# Altium PCB Analog_Daughter_6U_MAX11331.PcbDoc (part 6 of 6)
Units mil, origin at the board's own origin, x right, y up, seen from the top; angles counter-clockwise.
Board outline 6811.02 x 3937.01 mil, 6 copper layers (Top Layer, GND, Signal 1, Signal 2, VCC, Bottom Layer), stack 32.112 mil thick; 520 components, 330 nets, 1678 pads, 526 vias.
Unrouted connection lines stored in the file: 277.
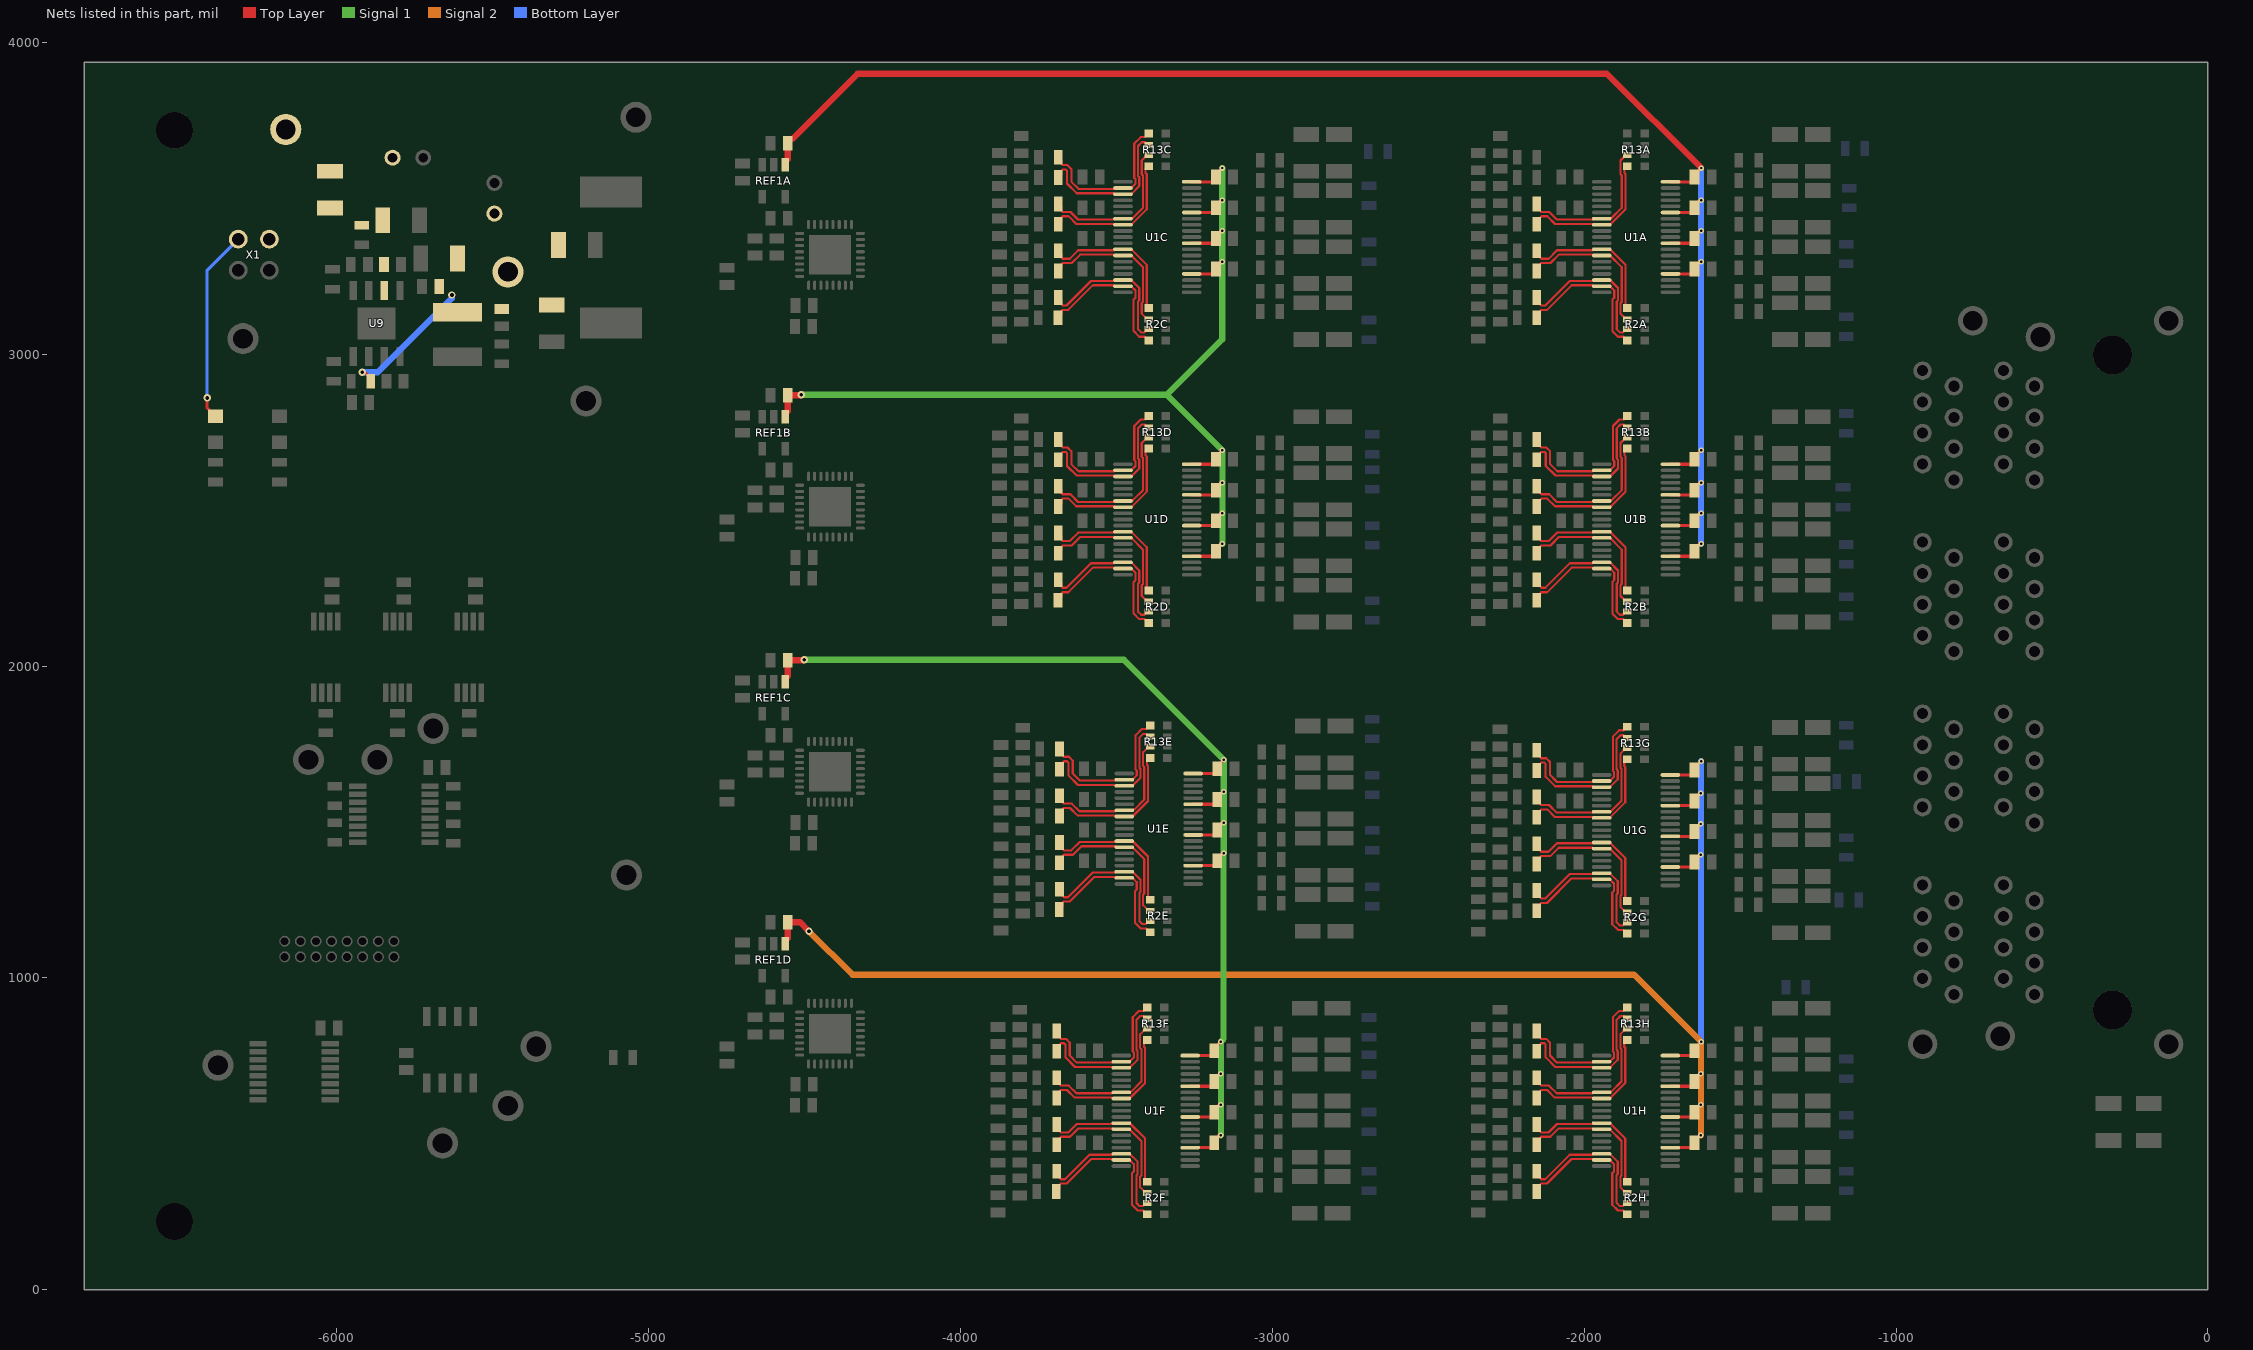
[diagram p10: the nets of this part, all layers, seen from the top]

## Via types
v1: diameter 17.72, hole 7.87, Top Layer to Bottom Layer, tented both sides, 279 vias
v2: diameter 23.62, hole 11.81, Top Layer to Bottom Layer, tented both sides, 205 vias
v3: diameter 27.56, hole 11.81, Top Layer to Bottom Layer, tented bottom, 32 vias
v4: diameter 19.68, hole 7.87, Top Layer to Bottom Layer, tented both sides, 6 vias
v5: diameter 51.18, hole 27.56, Top Layer to Bottom Layer, tented both sides, 4 vias

## Nets (pads, with @x,y where several pads share a name; then routed paths per layer and width w, separated by ;. In a path a pad name is that pad's centre, name@x,y a point inside that pad or via, vN(x,y) a via of type N, cw(c..) or ccw(c..) an arc to the next point about the centre after c; other vN are vias at no path point) (continued)
TD1B_N: R13B.6 R19B.2 U1B.22 | length 518.1
  Top Layer w7: R19B.2@-2151.82,2661.54 -2141.54,2671.82 -2141.54,2682.93 -2137.44,2687.04 -2127.54,2687.04 -2123.44,2682.93 -2123.44,2641.86 -2092.53,2610.95 -1973.68,2610.95 -1970.84,2608.11 U1B.22@-1943.94,2608.11 -1917.67,2608.11 -1891.95,2633.83 -1891.95,2661.98 -1895.44,2665.47 -1895.44,2666.09 -1895.79,2666.44 -1895.79,2762.43 -1883.61,2774.62 -1873.71,2774.62 -1871.79,2772.7 -1871.79,2771.93 -1865.45,2765.59 R13B.6@-1861.51,2765.59
TD1B_P: R13B.5 R22B.2 U1B.21 | length 517.1
  Top Layer w7: R22B.2@-2151.82,2726.54 -2141.54,2716.26 -2141.54,2705.14 -2137.44,2701.04 -2121.74,2701.04 -2109.44,2688.73 -2109.44,2647.66 -2086.73,2624.95 -1973.68,2624.95 -1970.84,2627.8 U1B.21@-1943.94,2627.8 -1917.66,2627.8 -1903.95,2641.51 -1903.95,2657.01 -1907.79,2660.85 -1907.79,2770.23 -1887.22,2790.8 -1873.9,2790.8 -1862.69,2802.01 R13B.5@-1861.51,2802.01
TD1C_N: R13C.6 R19C.2 U1C.22 | length 518.1
  Top Layer w7: R19C.2@-3687.25,3567.05 -3676.97,3577.33 -3676.97,3588.45 -3672.87,3592.55 -3662.97,3592.55 -3658.87,3588.45 -3658.87,3547.37 -3627.96,3516.46 -3509.11,3516.46 -3506.27,3513.62 U1C.22@-3479.38,3513.62 -3453.1,3513.62 -3427.38,3539.34 -3427.38,3567.49 -3430.87,3570.99 -3430.87,3571.6 -3431.22,3571.95 -3431.22,3667.94 -3419.04,3680.13 -3409.14,3680.13 -3407.22,3678.21 -3407.22,3677.44 -3400.88,3671.1 R13C.6@-3396.94,3671.1
TD1C_P: R13C.5 R22C.2 U1C.21 | length 517.1
  Top Layer w7: R22C.2@-3687.25,3632.05 -3676.97,3621.77 -3676.97,3610.65 -3672.87,3606.55 -3657.17,3606.55 -3644.87,3594.25 -3644.87,3553.17 -3622.16,3530.46 -3509.11,3530.46 -3506.27,3533.31 U1C.21@-3479.38,3533.31 -3453.1,3533.31 -3439.38,3547.03 -3439.38,3562.52 -3443.22,3566.37 -3443.22,3675.74 -3422.66,3696.31 -3409.33,3696.31 -3398.12,3707.52 R13C.5@-3396.94,3707.52
TD1D_N: R13D.6 R19D.2 U1D.22 | length 518.1
  Top Layer w7: R19D.2@-3687.25,2661.54 -3676.97,2671.82 -3676.97,2682.93 -3672.87,2687.04 -3662.97,2687.04 -3658.87,2682.93 -3658.87,2641.86 -3627.96,2610.95 -3509.11,2610.95 -3506.27,2608.11 U1D.22@-3479.38,2608.11 -3453.1,2608.11 -3427.38,2633.83 -3427.38,2661.98 -3430.87,2665.47 -3430.87,2666.09 -3431.22,2666.44 -3431.22,2762.43 -3419.04,2774.62 -3409.14,2774.62 -3407.22,2772.7 -3407.22,2771.93 -3400.88,2765.59 R13D.6@-3396.94,2765.59
TD1D_P: R13D.5 R22D.2 U1D.21 | length 517.1
  Top Layer w7: R22D.2@-3687.25,2726.54 -3676.97,2716.26 -3676.97,2705.14 -3672.87,2701.04 -3657.17,2701.04 -3644.87,2688.73 -3644.87,2647.66 -3622.16,2624.95 -3509.11,2624.95 -3506.27,2627.8 U1D.21@-3479.38,2627.8 -3453.1,2627.8 -3439.38,2641.51 -3439.38,2657.01 -3443.22,2660.85 -3443.22,2770.23 -3422.66,2790.8 -3409.33,2790.8 -3398.12,2802.01 R13D.5@-3396.94,2802.01
TD1E_N: R13E.6 R19E.2 U1E.22 | length 518.1
  Top Layer w7: R19E.2@-3682.82,1669.47 -3672.54,1679.75 -3672.54,1690.87 -3668.44,1694.97 -3658.54,1694.97 -3654.44,1690.87 -3654.44,1649.8 -3623.53,1618.89 -3504.68,1618.89 -3501.84,1616.04 U1E.22@-3474.95,1616.04 -3448.67,1616.04 -3422.95,1641.76 -3422.95,1669.92 -3426.44,1673.41 -3426.44,1674.02 -3426.79,1674.37 -3426.79,1770.37 -3414.61,1782.55 -3404.71,1782.55 -3402.79,1780.63 -3402.79,1779.87 -3396.45,1773.52 R13E.6@-3392.51,1773.52
TD1E_P: R13E.5 R22E.2 U1E.21 | length 517.1
  Top Layer w7: R22E.2@-3682.82,1734.47 -3672.54,1724.19 -3672.54,1713.07 -3668.44,1708.97 -3652.74,1708.97 -3640.44,1696.67 -3640.44,1655.59 -3617.73,1632.89 -3504.68,1632.89 -3501.84,1635.73 U1E.21@-3474.95,1635.73 -3448.67,1635.73 -3434.95,1649.45 -3434.95,1664.94 -3438.79,1668.79 -3438.79,1778.16 -3418.23,1798.73 -3404.9,1798.73 -3393.69,1809.94 R13E.5@-3392.51,1809.94
TD1F_N: R13F.6 R19F.2 U1F.22 | length 518.1
  Top Layer w7: R19F.2@-3692.29,765 -3682.01,775.28 -3682.01,786.4 -3677.91,790.5 -3668.01,790.5 -3663.91,786.4 -3663.91,745.33 -3633,714.42 -3514.15,714.42 -3511.31,711.57 U1F.22@-3484.42,711.57 -3458.14,711.57 -3432.42,737.29 -3432.42,765.45 -3435.91,768.94 -3435.91,769.55 -3436.26,769.9 -3436.26,865.9 -3424.08,878.08 -3414.18,878.08 -3412.26,876.16 -3412.26,875.4 -3405.92,869.06 R13F.6@-3401.98,869.06
TD1F_P: R13F.5 R22F.2 U1F.21 | length 517.1
  Top Layer w7: R22F.2@-3692.29,830 -3682.01,819.72 -3682.01,808.6 -3677.91,804.5 -3662.21,804.5 -3649.91,792.2 -3649.91,751.13 -3627.2,728.42 -3514.15,728.42 -3511.31,731.26 U1F.21@-3484.42,731.26 -3458.14,731.26 -3444.42,744.98 -3444.42,760.48 -3448.26,764.32 -3448.26,873.7 -3427.69,894.26 -3414.37,894.26 -3403.16,905.47 R13F.5@-3401.98,905.47
TD1G_N: R13G.6 R19G.2 U1G.22 | length 518.1
  Top Layer w7: R19G.2@-2152.29,1665 -2142.01,1675.28 -2142.01,1686.4 -2137.91,1690.5 -2128.01,1690.5 -2123.91,1686.4 -2123.91,1645.33 -2093,1614.42 -1974.15,1614.42 -1971.31,1611.57 U1G.22@-1944.42,1611.57 -1918.14,1611.57 -1892.42,1637.29 -1892.42,1665.45 -1895.91,1668.94 -1895.91,1669.55 -1896.26,1669.9 -1896.26,1765.9 -1884.08,1778.08 -1874.18,1778.08 -1872.26,1776.16 -1872.26,1775.4 -1865.92,1769.06 R13G.6@-1861.98,1769.06
TD1G_P: R13G.5 R22G.2 U1G.21 | length 517.1
  Top Layer w7: R22G.2@-2152.29,1730 -2142.01,1719.72 -2142.01,1708.6 -2137.91,1704.5 -2122.21,1704.5 -2109.91,1692.2 -2109.91,1651.13 -2087.2,1628.42 -1974.15,1628.42 -1971.31,1631.26 U1G.21@-1944.42,1631.26 -1918.14,1631.26 -1904.42,1644.98 -1904.42,1660.48 -1908.26,1664.32 -1908.26,1773.7 -1887.69,1794.26 -1874.37,1794.26 -1863.16,1805.47 R13G.5@-1861.98,1805.47
TD1H_N: R13H.6 R19H.2 U1H.22 | length 518.1
  Top Layer w7: R19H.2@-2152.29,765 -2142.01,775.28 -2142.01,786.4 -2137.91,790.5 -2128.01,790.5 -2123.91,786.4 -2123.91,745.33 -2093,714.42 -1974.15,714.42 -1971.31,711.57 U1H.22@-1944.42,711.57 -1918.14,711.57 -1892.42,737.29 -1892.42,765.45 -1895.91,768.94 -1895.91,769.55 -1896.26,769.9 -1896.26,865.9 -1884.08,878.08 -1874.18,878.08 -1872.26,876.16 -1872.26,875.4 -1865.92,869.06 R13H.6@-1861.98,869.06
TD1H_P: R13H.5 R22H.2 U1H.21 | length 517.1
  Top Layer w7: R22H.2@-2152.29,830 -2142.01,819.72 -2142.01,808.6 -2137.91,804.5 -2122.21,804.5 -2109.91,792.2 -2109.91,751.13 -2087.2,728.42 -1974.15,728.42 -1971.31,731.26 U1H.21@-1944.42,731.26 -1918.14,731.26 -1904.42,744.98 -1904.42,760.48 -1908.26,764.32 -1908.26,873.7 -1887.69,894.26 -1874.37,894.26 -1863.16,905.47 R13H.5@-1861.98,905.47
TD2A_N: R13A.8 R14A.2 U1A.27 | length 477.2
  Top Layer w7: R14A.2@-2151.82,3417.05 -2141.54,3427.33 -2141.54,3438.45 -2137.44,3442.55 -2118.23,3442.55 -2093.73,3418.04 -1973.68,3418.04 -1970.84,3415.2 U1A.27@-1943.94,3415.2 -1917.67,3415.2 -1867.95,3464.91 -1867.95,3578.05 -1871.42,3581.53 -1871.42,3594.09 -1862.32,3603.19 R13A.8@-1861.51,3603.19
TD2A_P: R13A.7 R17A.2 U1A.26 | length 497.6
  Top Layer w7: R17A.2@-2151.82,3482.05 -2141.54,3471.77 -2141.54,3460.65 -2137.44,3456.55 -2112.44,3456.55 -2087.93,3432.04 -1973.68,3432.04 -1970.84,3434.88 U1A.26@-1943.94,3434.88 -1917.05,3434.88 -1914.65,3437.29 -1912.55,3437.29 -1879.95,3469.89 -1879.95,3573.08 -1883.79,3576.92 -1883.79,3621.26 -1865.45,3639.61 R13A.7@-1861.51,3639.61
TD2B_N: R13B.8 R14B.2 U1B.27 | length 477.2
  Top Layer w7: R14B.2@-2151.82,2511.54 -2141.54,2521.82 -2141.54,2532.93 -2137.44,2537.04 -2118.23,2537.04 -2093.73,2512.53 -1973.68,2512.53 -1970.84,2509.68 U1B.27@-1943.94,2509.68 -1917.67,2509.68 -1867.95,2559.4 -1867.95,2672.54 -1871.42,2676.01 -1871.42,2688.58 -1862.32,2697.68 R13B.8@-1861.51,2697.68
TD2B_P: R13B.7 R17B.2 U1B.26 | length 497.6
  Top Layer w7: R17B.2@-2151.82,2576.54 -2141.54,2566.26 -2141.54,2555.14 -2137.44,2551.04 -2112.44,2551.04 -2087.93,2526.53 -1973.68,2526.53 -1970.84,2529.37 U1B.26@-1943.94,2529.37 -1917.05,2529.37 -1914.65,2531.78 -1912.55,2531.78 -1879.95,2564.37 -1879.95,2667.57 -1883.79,2671.41 -1883.79,2715.75 -1865.45,2734.09 R13B.7@-1861.51,2734.09
TD2C_N: R13C.8 R14C.2 U1C.27 | length 477.2
  Top Layer w7: R14C.2@-3687.25,3417.05 -3676.97,3427.33 -3676.97,3438.45 -3672.87,3442.55 -3653.67,3442.55 -3629.16,3418.04 -3509.11,3418.04 -3506.27,3415.2 U1C.27@-3479.38,3415.2 -3453.1,3415.2 -3403.38,3464.91 -3403.38,3578.05 -3406.86,3581.53 -3406.86,3594.09 -3397.76,3603.19 R13C.8@-3396.94,3603.19
TD2C_P: R13C.7 R17C.2 U1C.26 | length 497.6
  Top Layer w7: R17C.2@-3687.25,3482.05 -3676.97,3471.77 -3676.97,3460.65 -3672.87,3456.55 -3647.87,3456.55 -3623.36,3432.04 -3509.11,3432.04 -3506.27,3434.88 U1C.26@-3479.38,3434.88 -3452.48,3434.88 -3450.08,3437.29 -3447.98,3437.29 -3415.38,3469.89 -3415.38,3573.08 -3419.22,3576.92 -3419.22,3621.26 -3400.88,3639.61 R13C.7@-3396.94,3639.61
TD2D_N: R13D.8 R14D.2 U1D.27 | length 477.2
  Top Layer w7: R14D.2@-3687.25,2511.54 -3676.97,2521.82 -3676.97,2532.93 -3672.87,2537.04 -3653.67,2537.04 -3629.16,2512.53 -3509.11,2512.53 -3506.27,2509.68 U1D.27@-3479.38,2509.68 -3453.1,2509.68 -3403.38,2559.4 -3403.38,2672.54 -3406.86,2676.01 -3406.86,2688.58 -3397.76,2697.68 R13D.8@-3396.94,2697.68
TD2D_P: R13D.7 R17D.2 U1D.26 | length 497.6
  Top Layer w7: R17D.2@-3687.25,2576.54 -3676.97,2566.26 -3676.97,2555.14 -3672.87,2551.04 -3647.87,2551.04 -3623.36,2526.53 -3509.11,2526.53 -3506.27,2529.37 U1D.26@-3479.38,2529.37 -3452.48,2529.37 -3450.08,2531.78 -3447.98,2531.78 -3415.38,2564.37 -3415.38,2667.57 -3419.22,2671.41 -3419.22,2715.75 -3400.88,2734.09 R13D.7@-3396.94,2734.09
TD2E_N: R13E.8 R14E.2 U1E.27 | length 477.2
  Top Layer w7: R14E.2@-3682.82,1519.47 -3672.54,1529.75 -3672.54,1540.87 -3668.44,1544.97 -3649.24,1544.97 -3624.73,1520.46 -3504.68,1520.46 -3501.84,1517.62 U1E.27@-3474.95,1517.62 -3448.67,1517.62 -3398.95,1567.34 -3398.95,1680.47 -3402.43,1683.95 -3402.43,1696.51 -3393.33,1705.61 R13E.8@-3392.51,1705.61
TD2E_P: R13E.7 R17E.2 U1E.26 | length 497.6
  Top Layer w7: R17E.2@-3682.82,1584.47 -3672.54,1574.19 -3672.54,1563.07 -3668.44,1558.97 -3643.44,1558.97 -3618.93,1534.46 -3504.68,1534.46 -3501.84,1537.3 U1E.26@-3474.95,1537.3 -3448.05,1537.3 -3445.65,1539.71 -3443.55,1539.71 -3410.95,1572.31 -3410.95,1675.5 -3414.79,1679.34 -3414.79,1723.69 -3396.45,1742.03 R13E.7@-3392.51,1742.03
TD2F_N: R13F.8 R14F.2 U1F.27 | length 477.2
  Top Layer w7: R14F.2@-3692.29,615 -3682.01,625.28 -3682.01,636.4 -3677.91,640.5 -3658.71,640.5 -3634.2,615.99 -3514.15,615.99 -3511.31,613.15 U1F.27@-3484.42,613.15 -3458.14,613.15 -3408.42,662.87 -3408.42,776 -3411.9,779.48 -3411.9,792.04 -3402.8,801.14 R13F.8@-3401.98,801.14
TD2F_P: R13F.7 R17F.2 U1F.26 | length 497.6
  Top Layer w7: R17F.2@-3692.29,680 -3682.01,669.72 -3682.01,658.6 -3677.91,654.5 -3652.91,654.5 -3628.4,629.99 -3514.15,629.99 -3511.31,632.83 U1F.26@-3484.42,632.83 -3457.52,632.83 -3455.12,635.24 -3453.02,635.24 -3420.42,667.84 -3420.42,771.03 -3424.26,774.87 -3424.26,819.22 -3405.92,837.56 R13F.7@-3401.98,837.56
TD2G_N: R13G.8 R14G.2 U1G.27 | length 477.2
  Top Layer w7: R14G.2@-2152.29,1515 -2142.01,1525.28 -2142.01,1536.4 -2137.91,1540.5 -2118.71,1540.5 -2094.2,1515.99 -1974.15,1515.99 -1971.31,1513.15 U1G.27@-1944.42,1513.15 -1918.14,1513.15 -1868.42,1562.87 -1868.42,1676 -1871.9,1679.48 -1871.9,1692.04 -1862.8,1701.14 R13G.8@-1861.98,1701.14
TD2G_P: R13G.7 R17G.2 U1G.26 | length 497.6
  Top Layer w7: R17G.2@-2152.29,1580 -2142.01,1569.72 -2142.01,1558.6 -2137.91,1554.5 -2112.91,1554.5 -2088.4,1529.99 -1974.15,1529.99 -1971.31,1532.83 U1G.26@-1944.42,1532.83 -1917.52,1532.83 -1915.12,1535.24 -1913.02,1535.24 -1880.42,1567.84 -1880.42,1671.03 -1884.26,1674.87 -1884.26,1719.22 -1865.92,1737.56 R13G.7@-1861.98,1737.56
TD2H_N: R13H.8 R14H.2 U1H.27 | length 477.2
  Top Layer w7: R14H.2@-2152.29,615 -2142.01,625.28 -2142.01,636.4 -2137.91,640.5 -2118.71,640.5 -2094.2,615.99 -1974.15,615.99 -1971.31,613.15 U1H.27@-1944.42,613.15 -1918.14,613.15 -1868.42,662.87 -1868.42,776 -1871.9,779.48 -1871.9,792.04 -1862.8,801.14 R13H.8@-1861.98,801.14
TD2H_P: R13H.7 R17H.2 U1H.26 | length 497.6
  Top Layer w7: R17H.2@-2152.29,680 -2142.01,669.72 -2142.01,658.6 -2137.91,654.5 -2112.91,654.5 -2088.4,629.99 -1974.15,629.99 -1971.31,632.83 U1H.26@-1944.42,632.83 -1917.52,632.83 -1915.12,635.24 -1913.02,635.24 -1880.42,667.84 -1880.42,771.03 -1884.26,774.87 -1884.26,819.22 -1865.92,837.56 R13H.7@-1861.98,837.56
TD3A_N: R2A.6 R8A.2 U1A.32 | length 497.1
  Top Layer w7: R8A.2@-2151.82,3267.05 -2141.54,3277.33 -2141.54,3288.45 -2137.44,3292.55 -2108.49,3292.55 -2081.42,3319.61 -1973.68,3319.61 -1970.84,3316.77 U1A.32@-1943.94,3316.77 -1917.66,3316.77 -1879.95,3279.05 -1879.95,3168.43 -1883.79,3164.58 -1883.79,3130.39 -1865.45,3112.05 R2A.6@-1861.51,3112.05
TD3A_P: R2A.5 R11A.2 U1A.31 | length 474.9
  Top Layer w7: R11A.2@-2151.82,3332.05 -2141.54,3321.77 -2141.54,3310.65 -2137.44,3306.55 -2114.29,3306.55 -2087.22,3333.61 -1973.68,3333.61 -1970.84,3336.46 U1A.31@-1943.94,3336.46 -1917.67,3336.46 -1867.95,3286.74 -1867.95,3154.9 R2A.5@-1861.51,3148.46
TD3B_N: R2B.6 R8B.2 U1B.32 | length 497.1
  Top Layer w7: R8B.2@-2151.82,2361.54 -2141.54,2371.82 -2141.54,2382.93 -2137.44,2387.04 -2108.49,2387.04 -2081.42,2414.1 -1973.68,2414.1 -1970.84,2411.26 U1B.32@-1943.94,2411.26 -1917.66,2411.26 -1879.95,2373.54 -1879.95,2262.91 -1883.79,2259.07 -1883.79,2224.88 -1865.45,2206.54 R2B.6@-1861.51,2206.54
TD3B_P: R2B.5 R11B.2 U1B.31 | length 474.9
  Top Layer w7: R11B.2@-2151.82,2426.54 -2141.54,2416.26 -2141.54,2405.14 -2137.44,2401.04 -2114.29,2401.04 -2087.22,2428.1 -1973.68,2428.1 -1970.84,2430.94 U1B.31@-1943.94,2430.94 -1917.67,2430.94 -1867.95,2381.23 -1867.95,2249.39 R2B.5@-1861.51,2242.95
TD3C_N: R2C.6 R8C.2 U1C.32 | length 497.1
  Top Layer w7: R8C.2@-3687.25,3267.05 -3676.97,3277.33 -3676.97,3288.45 -3672.87,3292.55 -3643.92,3292.55 -3616.86,3319.61 -3509.11,3319.61 -3506.27,3316.77 U1C.32@-3479.38,3316.77 -3453.1,3316.77 -3415.38,3279.05 -3415.38,3168.43 -3419.22,3164.58 -3419.22,3130.39 -3400.88,3112.05 R2C.6@-3396.94,3112.05
TD3C_P: R2C.5 R11C.2 U1C.31 | length 474.9
  Top Layer w7: R11C.2@-3687.25,3332.05 -3676.97,3321.77 -3676.97,3310.65 -3672.87,3306.55 -3649.72,3306.55 -3622.66,3333.61 -3509.11,3333.61 -3506.27,3336.46 U1C.31@-3479.38,3336.46 -3453.1,3336.46 -3403.38,3286.74 -3403.38,3154.9 R2C.5@-3396.94,3148.46
TD3D_N: R2D.6 R8D.2 U1D.32 | length 497.1
  Top Layer w7: R8D.2@-3687.25,2361.54 -3676.97,2371.82 -3676.97,2382.93 -3672.87,2387.04 -3643.92,2387.04 -3616.86,2414.1 -3509.11,2414.1 -3506.27,2411.26 U1D.32@-3479.38,2411.26 -3453.1,2411.26 -3415.38,2373.54 -3415.38,2262.91 -3419.22,2259.07 -3419.22,2224.88 -3400.88,2206.54 R2D.6@-3396.94,2206.54
TD3D_P: R2D.5 R11D.2 U1D.31 | length 474.9
  Top Layer w7: R11D.2@-3687.25,2426.54 -3676.97,2416.26 -3676.97,2405.14 -3672.87,2401.04 -3649.72,2401.04 -3622.66,2428.1 -3509.11,2428.1 -3506.27,2430.94 U1D.31@-3479.38,2430.94 -3453.1,2430.94 -3403.38,2381.23 -3403.38,2249.39 R2D.5@-3396.94,2242.95
TD3E_N: R2E.6 R8E.2 U1E.32 | length 497.1
  Top Layer w7: R8E.2@-3682.82,1369.47 -3672.54,1379.75 -3672.54,1390.87 -3668.44,1394.97 -3639.49,1394.97 -3612.43,1422.04 -3504.68,1422.04 -3501.84,1419.19 U1E.32@-3474.95,1419.19 -3448.67,1419.19 -3410.95,1381.47 -3410.95,1270.85 -3414.79,1267.01 -3414.79,1232.81 -3396.45,1214.47 R2E.6@-3392.51,1214.47
TD3E_P: R2E.5 R11E.2 U1E.31 | length 474.9
  Top Layer w7: R11E.2@-3682.82,1434.47 -3672.54,1424.19 -3672.54,1413.07 -3668.44,1408.97 -3645.29,1408.97 -3618.23,1436.04 -3504.68,1436.04 -3501.84,1438.88 U1E.31@-3474.95,1438.88 -3448.67,1438.88 -3398.95,1389.16 -3398.95,1257.32 R2E.5@-3392.51,1250.89
TD3F_N: R2F.6 R8F.2 U1F.32 | length 497.1
  Top Layer w7: R8F.2@-3692.29,465 -3682.01,475.28 -3682.01,486.4 -3677.91,490.5 -3648.96,490.5 -3621.9,517.57 -3514.15,517.57 -3511.31,514.72 U1F.32@-3484.42,514.72 -3458.14,514.72 -3420.42,477.01 -3420.42,366.38 -3424.26,362.54 -3424.26,328.34 -3405.92,310 R2F.6@-3401.98,310
TD3F_P: R2F.5 R11F.2 U1F.31 | length 474.9
  Top Layer w7: R11F.2@-3692.29,530 -3682.01,519.72 -3682.01,508.6 -3677.91,504.5 -3654.76,504.5 -3627.69,531.57 -3514.15,531.57 -3511.31,534.41 U1F.31@-3484.42,534.41 -3458.14,534.41 -3408.42,484.69 -3408.42,352.85 R2F.5@-3401.98,346.42
TD3G_N: R2G.6 R8G.2 U1G.32 | length 497.1
  Top Layer w7: R8G.2@-2152.29,1365 -2142.01,1375.28 -2142.01,1386.4 -2137.91,1390.5 -2108.96,1390.5 -2081.9,1417.57 -1974.15,1417.57 -1971.31,1414.72 U1G.32@-1944.42,1414.72 -1918.14,1414.72 -1880.42,1377.01 -1880.42,1266.38 -1884.26,1262.54 -1884.26,1228.34 -1865.92,1210 R2G.6@-1861.98,1210
TD3G_P: R2G.5 R11G.2 U1G.31 | length 474.9
  Top Layer w7: R11G.2@-2152.29,1430 -2142.01,1419.72 -2142.01,1408.6 -2137.91,1404.5 -2114.76,1404.5 -2087.69,1431.57 -1974.15,1431.57 -1971.31,1434.41 U1G.31@-1944.42,1434.41 -1918.14,1434.41 -1868.42,1384.69 -1868.42,1252.85 R2G.5@-1861.98,1246.42
TD3H_N: R2H.6 R8H.2 U1H.32 | length 497.1
  Top Layer w7: R8H.2@-2152.29,465 -2142.01,475.28 -2142.01,486.4 -2137.91,490.5 -2108.96,490.5 -2081.9,517.57 -1974.15,517.57 -1971.31,514.72 U1H.32@-1944.42,514.72 -1918.14,514.72 -1880.42,477.01 -1880.42,366.38 -1884.26,362.54 -1884.26,328.34 -1865.92,310 R2H.6@-1861.98,310
TD3H_P: R2H.5 R11H.2 U1H.31 | length 474.9
  Top Layer w7: R11H.2@-2152.29,530 -2142.01,519.72 -2142.01,508.6 -2137.91,504.5 -2114.76,504.5 -2087.69,531.57 -1974.15,531.57 -1971.31,534.41 U1H.31@-1944.42,534.41 -1918.14,534.41 -1868.42,484.69 -1868.42,352.85 R2H.5@-1861.98,346.42
TD4A_N: R2A.8 R3A.2 U1A.37 | length 498.2
  Top Layer w7: R3A.2@-2152.24,3117.05 -2141.96,3127.33 -2141.96,3138.36 -2137.86,3142.46 -2119.16,3142.46 -2040.44,3221.19 -1973.68,3221.19 -1970.84,3218.35 -1917.66,3218.35 -1903.95,3204.63 -1903.95,3181.2 -1909.79,3175.35 -1909.79,3074.35 -1891.59,3056.15 -1874.71,3056.15 -1862.69,3044.13 R2A.8@-1861.51,3044.13
TD4A_P: R2A.7 R6A.2 U1A.36 | length 498
  Top Layer w7: R6A.2@-2151.82,3182.05 -2141.54,3171.77 -2141.54,3160.56 -2137.44,3156.46 -2124.96,3156.46 -2046.23,3235.19 -1973.68,3235.19 -1970.84,3238.03 U1A.36@-1943.94,3238.03 -1917.67,3238.03 -1891.95,3212.31 -1891.95,3173.4 -1895.79,3169.55 -1895.79,3080.15 -1885.79,3070.15 -1875.85,3070.15 -1865.45,3080.55 R2A.7@-1861.51,3080.55
TD4B_N: R2B.8 R3B.2 U1B.37 | length 498.2
  Top Layer w7: R3B.2@-2152.24,2211.54 -2141.96,2221.82 -2141.96,2232.85 -2137.86,2236.95 -2119.16,2236.95 -2040.44,2315.68 -1973.68,2315.68 -1970.84,2312.83 -1917.66,2312.83 -1903.95,2299.12 -1903.95,2275.68 -1909.79,2269.84 -1909.79,2168.84 -1891.59,2150.64 -1874.71,2150.64 -1862.69,2138.62 R2B.8@-1861.51,2138.62
TD4B_P: R2B.7 R6B.2 U1B.36 | length 498
  Top Layer w7: R6B.2@-2151.82,2276.54 -2141.54,2266.26 -2141.54,2255.05 -2137.44,2250.95 -2124.96,2250.95 -2046.23,2329.68 -1973.68,2329.68 -1970.84,2332.52 U1B.36@-1943.94,2332.52 -1917.67,2332.52 -1891.95,2306.8 -1891.95,2267.89 -1895.79,2264.04 -1895.79,2174.64 -1885.79,2164.64 -1875.85,2164.64 -1865.45,2175.04 R2B.7@-1861.51,2175.04
TD4C_N: R2C.8 R3C.2 U1C.37 | length 498.2
  Top Layer w7: R3C.2@-3687.67,3117.05 -3677.39,3127.33 -3677.39,3138.36 -3673.29,3142.46 -3654.6,3142.46 -3575.87,3221.19 -3509.11,3221.19 -3506.27,3218.35 -3453.1,3218.35 -3439.38,3204.63 -3439.38,3181.2 -3445.22,3175.35 -3445.22,3074.35 -3427.02,3056.15 -3410.14,3056.15 -3398.12,3044.13 R2C.8@-3396.94,3044.13
TD4C_P: R2C.7 R6C.2 U1C.36 | length 498
  Top Layer w7: R6C.2@-3687.25,3182.05 -3676.97,3171.77 -3676.97,3160.56 -3672.87,3156.46 -3660.4,3156.46 -3581.67,3235.19 -3509.11,3235.19 -3506.27,3238.03 U1C.36@-3479.38,3238.03 -3453.1,3238.03 -3427.38,3212.31 -3427.38,3173.4 -3431.22,3169.55 -3431.22,3080.15 -3421.22,3070.15 -3411.28,3070.15 -3400.88,3080.55 R2C.7@-3396.94,3080.55
TD4D_N: R2D.8 R3D.2 U1D.37 | length 498.2
  Top Layer w7: R3D.2@-3687.67,2211.54 -3677.39,2221.82 -3677.39,2232.85 -3673.29,2236.95 -3654.6,2236.95 -3575.87,2315.68 -3509.11,2315.68 -3506.27,2312.83 -3453.1,2312.83 -3439.38,2299.12 -3439.38,2275.68 -3445.22,2269.84 -3445.22,2168.84 -3427.02,2150.64 -3410.14,2150.64 -3398.12,2138.62 R2D.8@-3396.94,2138.62
TD4D_P: R2D.7 R6D.2 U1D.36 | length 498
  Top Layer w7: R6D.2@-3687.25,2276.54 -3676.97,2266.26 -3676.97,2255.05 -3672.87,2250.95 -3660.4,2250.95 -3581.67,2329.68 -3509.11,2329.68 -3506.27,2332.52 U1D.36@-3479.38,2332.52 -3453.1,2332.52 -3427.38,2306.8 -3427.38,2267.89 -3431.22,2264.04 -3431.22,2174.64 -3421.22,2164.64 -3411.28,2164.64 -3400.88,2175.04 R2D.7@-3396.94,2175.04
TD4E_N: R2E.8 R3E.2 U1E.37 | length 498.2
  Top Layer w7: R3E.2@-3683.24,1219.47 -3672.96,1229.75 -3672.96,1240.78 -3668.86,1244.88 -3650.17,1244.88 -3571.44,1323.61 -3504.68,1323.61 -3501.84,1320.77 -3448.67,1320.77 -3434.95,1307.05 -3434.95,1283.62 -3440.79,1277.77 -3440.79,1176.77 -3422.59,1158.57 -3405.71,1158.57 -3393.69,1146.56 R2E.8@-3392.51,1146.56
TD4E_P: R2E.7 R6E.2 U1E.36 | length 498
  Top Layer w7: R6E.2@-3682.82,1284.47 -3672.54,1274.19 -3672.54,1262.98 -3668.44,1258.88 -3655.97,1258.88 -3577.24,1337.61 -3504.68,1337.61 -3501.84,1340.45 U1E.36@-3474.95,1340.45 -3448.67,1340.45 -3422.95,1314.73 -3422.95,1275.82 -3426.79,1271.98 -3426.79,1182.57 -3416.79,1172.57 -3406.85,1172.57 -3396.45,1182.97 R2E.7@-3392.51,1182.97
TD4F_N: R2F.8 R3F.2 U1F.37 | length 498.2
  Top Layer w7: R3F.2@-3692.71,315 -3682.43,325.28 -3682.43,336.31 -3678.33,340.41 -3659.64,340.41 -3580.91,419.14 -3514.15,419.14 -3511.31,416.3 -3458.14,416.3 -3444.42,402.58 -3444.42,379.15 -3450.26,373.31 -3450.26,272.3 -3432.06,254.1 -3415.18,254.1 -3403.16,242.09 R2F.8@-3401.98,242.09
TD4F_P: R2F.7 R6F.2 U1F.36 | length 498
  Top Layer w7: R6F.2@-3692.29,380 -3682.01,369.72 -3682.01,358.51 -3677.91,354.41 -3665.44,354.41 -3586.71,433.14 -3514.15,433.14 -3511.31,435.98 U1F.36@-3484.42,435.98 -3458.14,435.98 -3432.42,410.27 -3432.42,371.35 -3436.26,367.51 -3436.26,278.1 -3426.26,268.1 -3416.32,268.1 -3405.92,278.5 R2F.7@-3401.98,278.5
TD4G_N: R2G.8 R3G.2 U1G.37 | length 498.2
  Top Layer w7: R3G.2@-2152.71,1215 -2142.43,1225.28 -2142.43,1236.31 -2138.33,1240.41 -2119.64,1240.41 -2040.91,1319.14 -1974.15,1319.14 -1971.31,1316.3 -1918.14,1316.3 -1904.42,1302.58 -1904.42,1279.15 -1910.26,1273.31 -1910.26,1172.3 -1892.06,1154.1 -1875.18,1154.1 -1863.16,1142.09 R2G.8@-1861.98,1142.09
TD4G_P: R2G.7 R6G.2 U1G.36 | length 498
  Top Layer w7: R6G.2@-2152.29,1280 -2142.01,1269.72 -2142.01,1258.51 -2137.91,1254.41 -2125.44,1254.41 -2046.71,1333.14 -1974.15,1333.14 -1971.31,1335.98 U1G.36@-1944.42,1335.98 -1918.14,1335.98 -1892.42,1310.27 -1892.42,1271.35 -1896.26,1267.51 -1896.26,1178.1 -1886.26,1168.1 -1876.32,1168.1 -1865.92,1178.5 R2G.7@-1861.98,1178.5
TD4H_N: R2H.8 R3H.2 U1H.37 | length 498.2
  Top Layer w7: R3H.2@-2152.71,315 -2142.43,325.28 -2142.43,336.31 -2138.33,340.41 -2119.64,340.41 -2040.91,419.14 -1974.15,419.14 -1971.31,416.3 -1918.14,416.3 -1904.42,402.58 -1904.42,379.15 -1910.26,373.31 -1910.26,272.3 -1892.06,254.1 -1875.18,254.1 -1863.16,242.09 R2H.8@-1861.98,242.09
TD4H_P: R2H.7 R6H.2 U1H.36 | length 498
  Top Layer w7: R6H.2@-2152.29,380 -2142.01,369.72 -2142.01,358.51 -2137.91,354.41 -2125.44,354.41 -2046.71,433.14 -1974.15,433.14 -1971.31,435.98 U1H.36@-1944.42,435.98 -1918.14,435.98 -1892.42,410.27 -1892.42,371.35 -1896.26,367.51 -1896.26,278.1 -1886.26,268.1 -1876.32,268.1 -1865.92,278.5 R2H.7@-1861.98,278.5
VCC: BS2.2 BS3.1 C42.1 C43.2 C45.1 C46.1 L1.2 R32.2 TP2.1 | length 442
  Top Layer w10: v2(-5919.41,2942.5) -5916.8,2939.9 -5907.62,2939.9 -5891.42,2923.7 R32.2@-5891.42,2913.86
  Bottom Layer w20: v2(-5919.41,2942.5) -5868.92,2942.5 -5631.42,3180 v2(-5631.42,3190)
VCOMA: C22A.2 C22B.2 C23A.2 C23B.2 C24A.2 C24B.2 C25A.2 C25B.2 C31A.1 REF1A.1 U1A.4 U1A.9 U1A.14 U1A.19 U1B.4 U1B.9 U1B.14 U1B.19 | length 5407.9
  Top Layer w10: REF1A.1@-4561.94,3607.52 -4561.94,3617.36 REF1A.1@-4554.22,3625.08 ; U1B.4@-1723.47,2352.2 -1656.82,2352.2 -1646.07,2362.95 C25B.2@-1646.07,2367.95 -1646.07,2375.83 -1631.63,2390.27 -1627.03,2390.27 v1(-1625.56,2391.74) ; U1B.9@-1723.47,2450.63 -1656.82,2450.63 -1646.07,2461.38 C24B.2@-1646.07,2466.07 -1646.07,2473.94 -1631.31,2488.69 -1627.03,2488.69 v1(-1625.55,2490.17) ; U1B.14@-1723.47,2549.05 -1656.82,2549.05 -1646.07,2559.8 C23B.2@-1646.07,2564.12 -1646.07,2571.99 -1630.94,2587.12 -1627.01,2587.12 v1(-1625.54,2588.59) ; U1B.19@-1723.47,2647.48 -1656.82,2647.48 -1646.07,2658.23 C22B.2@-1646.07,2663.23 -1646.07,2671.1 -1625.38,2691.79 v1(-1624.9,2691.79) ; U1A.4@-1723.47,3257.72 -1656.82,3257.72 -1646.07,3268.46 C25A.2@-1646.07,3273.46 -1646.07,3281.34 -1631.63,3295.78 -1627.03,3295.78 v1(-1625.56,3297.26) ; U1A.9@-1723.47,3356.14 -1656.82,3356.14 -1646.07,3366.89 C24A.2@-1646.07,3371.58 -1646.07,3379.45 -1631.31,3394.2 -1627.03,3394.2 v1(-1625.55,3395.68) ; U1A.14@-1723.47,3454.57 -1656.82,3454.57 -1646.07,3465.31 C23A.2@-1646.07,3469.63 -1646.07,3477.5 -1630.94,3492.63 -1627.01,3492.63 v1(-1625.54,3494.11) ; U1A.19@-1723.47,3552.99 -1656.82,3552.99 -1646.07,3563.74 C22A.2@-1646.07,3568.74 -1646.07,3576.61 -1625.38,3597.3 v1@-1625.38,3597.78
  Top Layer w20: REF1A.1@-4554.22,3625.08 -4554.22,3684.21 -4548.47,3689.96 -4540.6,3689.96 -4330.56,3900 -1927.6,3900 v1@-1625.38,3597.78
  Bottom Layer w10: v1(-1625.56,2391.74) v1@-1625.23,2392.07 ; v1@-1625.23,3596.97 v1(-1624.9,3597.3)
  Bottom Layer w20: v1@-1625.23,2392.07 v1@-1625.23,3596.97
VCOMC: C22C.2 C22D.2 C23C.2 C23D.2 C24C.2 C24D.2 C25C.2 C25D.2 C31B.1 REF1B.1 U1C.4 U1C.9 U1C.14 U1C.19 U1D.4 U1D.9 U1D.14 U1D.19 | length 3620.6
  Top Layer w10: U1D.4@-3258.9,2352.2 -3192.25,2352.2 -3181.5,2362.95 C25D.2@-3181.5,2367.95 -3181.5,2375.83 -3167.06,2390.27 -3162.47,2390.27 v1(-3160.99,2391.74) ; U1D.9@-3258.9,2450.63 -3192.25,2450.63 -3181.5,2461.38 C24D.2@-3181.5,2466.07 -3181.5,2473.94 -3166.75,2488.69 -3162.46,2488.69 v1(-3160.98,2490.17) ; U1D.14@-3258.9,2549.05 -3192.25,2549.05 -3181.5,2559.8 C23D.2@-3181.5,2564.12 -3181.5,2571.99 -3166.37,2587.12 -3162.45,2587.12 v1(-3160.97,2588.59) ; U1D.19@-3258.9,2647.48 -3192.25,2647.48 -3181.5,2658.23 C22D.2@-3181.5,2663.23 -3181.5,2671.1 -3160.82,2691.79 v1(-3160.33,2691.79) ; U1C.4@-3258.9,3257.72 -3192.25,3257.72 -3181.5,3268.46 C25C.2@-3181.5,3273.46 -3181.5,3281.34 -3167.06,3295.78 -3162.47,3295.78 v1(-3160.99,3297.26) ; U1C.9@-3258.9,3356.14 -3192.25,3356.14 -3181.5,3366.89 C24C.2@-3181.5,3371.58 -3181.5,3379.45 -3166.75,3394.2 -3162.46,3394.2 v1(-3160.98,3395.68) ; U1C.14@-3258.9,3454.57 -3192.25,3454.57 -3181.5,3465.31 C23C.2@-3181.5,3469.63 -3181.5,3477.5 -3166.37,3492.63 -3162.45,3492.63 v1(-3160.97,3494.11) ; U1C.19@-3258.9,3552.99 -3192.25,3552.99 -3181.5,3563.74 C22C.2@-3181.5,3568.74 -3181.5,3576.61 -3160.82,3597.3 v1(-3160.33,3597.3)
  Top Layer w20: REF1B.1@-4561.94,2799.72 -4561.94,2809.57 -4554.22,2817.28 C31B.1@-4554.22,2868.54 -4513.86,2868.54 -4512.4,2870 v2(-4511.42,2870)
  Signal 1 w20: v2(-4511.42,2870) -3338.54,2870 ; v1(-3160.99,2391.74) -3160.33,2392.4 v1(-3160.33,2691.79) -3338.54,2870 ; v1(-3160.33,3597.3) -3160.99,3596.64 v1(-3160.99,3297.26) -3160.99,3047.56 -3338.54,2870
VCOME: C22E.2 C22F.2 C23E.2 C23F.2 C24E.2 C24F.2 C25E.2 C25F.2 C31C.1 REF1C.1 U1E.4 U1E.9 U1E.14 U1E.19 U1F.4 U1F.9 U1F.14 U1F.19 | length 3791.1
  Top Layer w10: U1F.4@-3263.94,455.67 -3197.29,455.67 -3186.54,466.42 C25F.2@-3186.54,471.42 -3186.54,479.29 -3172.1,493.73 -3167.5,493.73 v1(-3166.03,495.21) ; U1F.9@-3263.94,554.09 -3197.29,554.09 -3186.54,564.84 C24F.2@-3186.54,569.53 -3186.54,577.4 -3171.79,592.16 -3167.5,592.16 v1(-3166.02,593.63) ; U1F.14@-3263.94,652.52 -3197.29,652.52 -3186.54,663.27 C23F.2@-3186.54,667.58 -3186.54,675.45 -3171.41,690.58 -3167.49,690.58 v1(-3166.01,692.06) ; U1F.19@-3263.94,750.94 -3197.29,750.94 -3186.54,761.69 C22F.2@-3186.54,766.69 -3186.54,774.57 -3165.85,795.25 v1(-3165.37,795.25) ; U1E.4@-3254.47,1360.14 -3187.82,1360.14 -3177.07,1370.89 C25E.2@-3177.07,1375.89 -3177.07,1383.76 -3162.63,1398.2 -3158.04,1398.2 v1(-3156.56,1399.68) ; U1E.9@-3254.47,1458.56 -3187.82,1458.56 -3177.07,1469.31 C24E.2@-3177.07,1474 -3177.07,1481.87 -3162.32,1496.63 -3158.03,1496.63 v1(-3156.55,1498.1) ; U1E.14@-3254.47,1556.99 -3187.82,1556.99 -3177.07,1567.74 C23E.2@-3177.07,1572.05 -3177.07,1579.92 -3161.94,1595.05 -3158.02,1595.05 v1(-3156.54,1596.53) ; U1E.19@-3254.47,1655.41 -3187.82,1655.41 -3177.07,1666.16 C22E.2@-3177.07,1671.16 -3177.07,1679.03 -3156.39,1699.72 v1(-3155.9,1699.72)
  Top Layer w20: REF1C.1@-4561.94,1949.72 -4561.94,1959.57 -4554.22,1967.28 C31C.1@-4554.22,2018.54 -4503.86,2018.54 -4502.4,2020 v2(-4501.42,2020)
  Signal 1 w20: v2(-4501.42,2020) -3476.18,2020 v1(-3155.9,1699.72) -3155.9,1400.33 v1(-3156.56,1399.68) -3156.56,804.06 v1(-3165.37,795.25) -3165.37,495.87 v1(-3166.03,495.21)
VCOMG: C22G.2 C22H.2 C23G.2 C23H.2 C24G.2 C24H.2 C25G.2 C25H.2 C31D.1 REF1D.1 U1G.4 U1G.9 U1G.14 U1G.19 U1H.4 U1H.9 U1H.14 U1H.19 | length 5338.8
  Top Layer w10: U1H.4@-1723.94,455.67 -1657.29,455.67 -1646.54,466.42 C25H.2@-1646.54,471.42 -1646.54,479.29 -1632.1,493.73 -1627.5,493.73 v1(-1626.03,495.21) ; U1H.9@-1723.94,554.09 -1657.29,554.09 -1646.54,564.84 C24H.2@-1646.54,569.53 -1646.54,577.4 -1631.79,592.16 -1627.5,592.16 v1(-1626.02,593.63) ; U1H.14@-1723.94,652.52 -1657.29,652.52 -1646.54,663.27 C23H.2@-1646.54,667.58 -1646.54,675.45 -1631.41,690.58 -1627.49,690.58 v1(-1626.01,692.06) ; U1H.19@-1723.94,750.94 -1657.29,750.94 -1646.54,761.69 C22H.2@-1646.54,766.69 -1646.54,774.57 -1625.85,795.25 v1(-1625.37,795.25) ; U1G.4@-1723.94,1355.67 -1657.29,1355.67 -1646.54,1366.42 C25G.2@-1646.54,1371.42 -1646.54,1379.29 -1632.1,1393.73 -1627.5,1393.73 v1(-1626.03,1395.21) ; U1G.9@-1723.94,1454.09 -1657.29,1454.09 -1646.54,1464.84 C24G.2@-1646.54,1469.53 -1646.54,1477.4 -1631.79,1492.16 -1627.5,1492.16 v1(-1626.02,1493.63) ; U1G.14@-1723.94,1552.52 -1657.29,1552.52 -1646.54,1563.27 C23G.2@-1646.54,1567.58 -1646.54,1575.45 -1631.41,1590.58 -1627.49,1590.58 v1(-1626.01,1592.06) ; U1G.19@-1723.94,1650.94 -1657.29,1650.94 -1646.54,1661.69 C22G.2@-1646.54,1666.69 -1646.54,1674.57 -1625.85,1695.25 v1(-1625.37,1695.25)
  Top Layer w20: REF1D.1@-4561.94,1109.72 -4561.94,1119.57 -4554.22,1127.28 C31D.1@-4554.22,1178.54 -4514.97,1178.54 v2(-4486.42,1150)
  Signal 2 w20: v2(-4486.42,1150) -4346.42,1010 -1840.12,1010 v1(-1625.37,795.25) -1625.37,495.87 v1(-1626.03,495.21)
  Bottom Layer w20: v1(-1625.37,795.25) v1(-1625.37,1695.25)
VIN: BS1.1 D2.1 TP1.1 X1.3 X1.4 | length 621.9
  Top Layer w10: v2(-6416.42,2860) -6416.42,2827.76 -6408.31,2819.65 -6408.31,2817.68 -6391.66,2801.02 D2.1@-6389.69,2801.02
  Bottom Layer w10: v2(-6416.42,2860) -6416.42,3269.65 X1.4@-6316.7,3369.37
VIN_CVN: BS1.2 C44.2 C47.1 C48.1 R31.2 U9.2
pads on no net: J1. MH1.1 MH2.1 U1A.1 U1A.6 U1A.11 U1A.16 U1B.1 U1B.6 U1B.11 U1B.16 U1C.1 U1C.6 U1C.11 U1C.16 U1D.1 U1D.6 U1D.11 U1D.16 U1E.1 U1E.6 U1E.11 U1E.16 U1F.1 U1F.6 U1F.11 U1F.16 U1G.1 U1G.6 U1G.11 U1G.16 U1H.1 U1H.6 U1H.11 U1H.16 U2A.28 U2B.28 U2C.28 U2D.28 U3.13 U8.3 U8.5 U8.6 U9.6

## Polygon pours and split planes (outlines as drawn)
PGND on Top Layer "TOP_PGND" (solid, pour order 9): -6420,3940 -6420,3670 -6550.42,3540 -6550.42,2560 -5486.42,2560 -5121.42,2925 -5121.42,3940
VIN_CVN on Top Layer "TOP_VIN_CVN" (solid, pour order 1): -6081.42,3550 -6081.42,3680 -5801.42,3680 -5781.42,3660 -5781.42,3530 -5821.42,3490 -5821.42,3170 -5831.42,3160 -5861.42,3160 -5871.42,3170 -5871.42,3250 -5881.42,3260 -5881.42,3380 -5891.42,3390 -5951.42,3390 -5961.42,3400 -5961.42,3550
VCC on Top Layer "TOP_VCC" (solid, pour order 6): -5701.42,3110 -5691.42,3100 -5541.42,3100 -5511.42,3130 -5271.42,3130 -5251.42,3150 -5251.42,3400 -5341.42,3490 -5571.42,3490 -5701.42,3360
SW on Top Layer "TOP_SW" (solid, pour order 5): -5811.42,3030 -5821.42,3020 -5821.42,2950 -5811.42,2940 -5811.42,2890 -5801.42,2880 -5521.42,2880 -5441.42,2960 -5441.42,2990 -5501.42,2990 -5541.42,3030
AGND on Top Layer "TOP_AGND" (solid, pour order 12): -5121.42,3610 -4981.42,3610 -4981.42,3430 -5121.42,3430
DGND on Top Layer "TOP_Dgnd" (solid, pour order 11): -5121.42,3190 -4981.42,3190 -4981.42,3010 -5121.42,3010
DVCC on Top Layer "TOP_DVCC" (solid, pour order 8): -5231.42,3070 -5391.42,3070 -5391.42,2970 -5231.42,2970
AVCC on Top Layer "TOP_AVCC" (solid, pour order 7): -5201.42,3430 -5201.42,3270 -5091.42,3270 -5091.42,3430
VIN on Top Layer "TOP_VIN" (solid, pour order 4): -6221.42,3790 -6371.42,3640 -6371.42,3320 -6081.42,3320 -5971.42,3430 -5971.42,3520 -6091.42,3520 -6091.42,3740 -6141.42,3790
VIN on Top Layer "TOP_VIN" (solid, pour order 3): -5961.42,3520
VIN on Top Layer "TOP_VIN" (solid, pour order 2): -5961.42,3510
VIN_CVN on Top Layer "TOP_VIN_CVN" (solid, pour order 0): -6082.97,3559.81
AGND on GND "GND_AGND" (solid, pour order 13): -4491.42,760 -4491.42,800 -4531.42,800 -4571.42,760 -4776.42,760 -4781.42,765 -4781.42,1150 -4696.42,1235 -4506.42,1235 -4421.42,1320 -4421.42,1580 -4441.42,1600 -4491.42,1600 -4491.42,1640 -4531.42,1640 -4571.42,1600 -4776.42,1600 -4781.42,1605 -4781.42,1975 -4681.42,2075 -4506.42,2075 -4421.42,2160 -4421.42,2430 -4441.42,2450 -4491.42,2450 -4491.42,2490 -4531.42,2490 -4571.42,2450 -4781.42,2450 -4801.42,2470 -4801.42,2830 -4650.14,2981.28 -4421.42,2981.28 -4421.42,3240 -4436.42,3255 -4491.42,3255 -4491.42,3300 -4531.42,3300 -4571.42,3260 -5261.42,3260 -5261.42,3937.01 -47.25,3937.01 -47.25,0 -4421.42,0 -4421.42,740 -4441.42,760
DGND on GND "GND-DGND" (solid, pour order 16): -6552.42,380.22 -6390.22,380.22 -6390,380 -6390,0 -4436.42,0 -4436.42,735 -4446.42,745 -4781.42,745 -4796.42,760 -4796.42,1155 -4701.42,1250 -4516.42,1250 -4436.42,1330 -4436.42,1575 -4446.42,1585 -4786.42,1585 -4796.42,1595 -4796.42,1985 -4691.42,2090 -4511.42,2090 -4436.42,2165 -4436.42,2425 -4446.42,2435 -4786.42,2435 -4816.42,2465 -4816.42,2835 -4656.42,2995 -4436.42,2995 -4436.42,3235 -4446.42,3245 -5261.42,3245 -5261.42,3130 -5296.42,3095 -5411.42,3095 -5626.42,2880 -6552.42,2880
AVCC on VCC "VCC_ANL" (solid, pour order 20): -4491.42,760 -4491.42,800 -4531.42,800 -4571.42,760 -4776.42,760 -4781.42,765 -4781.42,1150 -4696.42,1235 -4506.42,1235 -4421.42,1320 -4421.42,1580 -4441.42,1600 -4491.42,1600 -4491.42,1640 -4531.42,1640 -4571.42,1600 -4776.42,1600 -4781.42,1605 -4781.42,1975 -4681.42,2075 -4506.42,2075 -4421.42,2160 -4421.42,2430 -4441.42,2450 -4491.42,2450 -4491.42,2490 -4531.42,2490 -4571.42,2450 -4781.42,2450 -4801.42,2470 -4801.42,2830 -4650.14,2981.28 -4421.42,2981.28 -4421.42,3240 -4436.42,3255 -4491.42,3255 -4491.42,3300 -4531.42,3300 -4571.42,3260 -5261.42,3260 -5261.42,3937.01 -47.25,3937.01 -47.25,0 -4421.42,0 -4421.42,740 -4441.42,760
DVCC on VCC "VCC_DIG" (solid, pour order 19): -6552.42,380 -6390,380 -6390,0 -4436.42,0 -4436.42,735 -4446.42,745 -4781.42,745 -4796.42,760 -4796.42,1155 -4701.42,1250 -4516.42,1250 -4436.42,1330 -4436.42,1575 -4446.42,1585 -4786.42,1585 -4796.42,1595 -4796.42,1985 -4691.42,2090 -4511.42,2090 -4436.42,2165 -4436.42,2425 -4446.42,2435 -4786.42,2435 -4816.42,2465 -4816.42,2835 -4656.42,2995 -4436.42,2995 -4436.42,3235 -4446.42,3245 -5261.42,3245 -5261.42,3130 -5296.42,3095 -5411.42,3095 -5626.42,2880 -6552.42,2880

## Other copper
Top Layer:
  region net MISOADC2_P: -6185.42,650

## Silkscreen, mask and mechanical layers (free items; w line width, h text height)
Top Overlay:
  lines w10: -6106.42,2460 -6106.42,2540.9
  lines w20: -6111.42,2460 -6511.42,2460 -6511.42,2910 -6111.42,2910 -6111.42,2540
  lines w40: -6321.42,2475 -6321.42,2900
  text "VCC" at -6301.42,2471.11 h100
  text "VIN" at -6491.42,2470 h100
Mechanical 1:
  the board outline again, w5

## Dimensions
-0.01,0 to 119.58,753 on Dimensions
-0.01,3937.01 to -0.01,0 on Dimensions
-6811.03,3937.01 to -0.01,3937.01 on Dimensions

## Text inside footprints (layer, text, board x,y; h text height)
C43: Top Overlay "+" at -5514.73,3354.8 h39.37 r270
C44: Top Overlay "+" at -5918.27,3650.08 h39.37 r180
J1: Mechanical 5 "1" at -449.49,938.4 h60 r90
Serial: Mechanical 5 "SerialNr" at -911.42,322.83 h27.56